# KiCad board Atari TT030.kicad_pcb
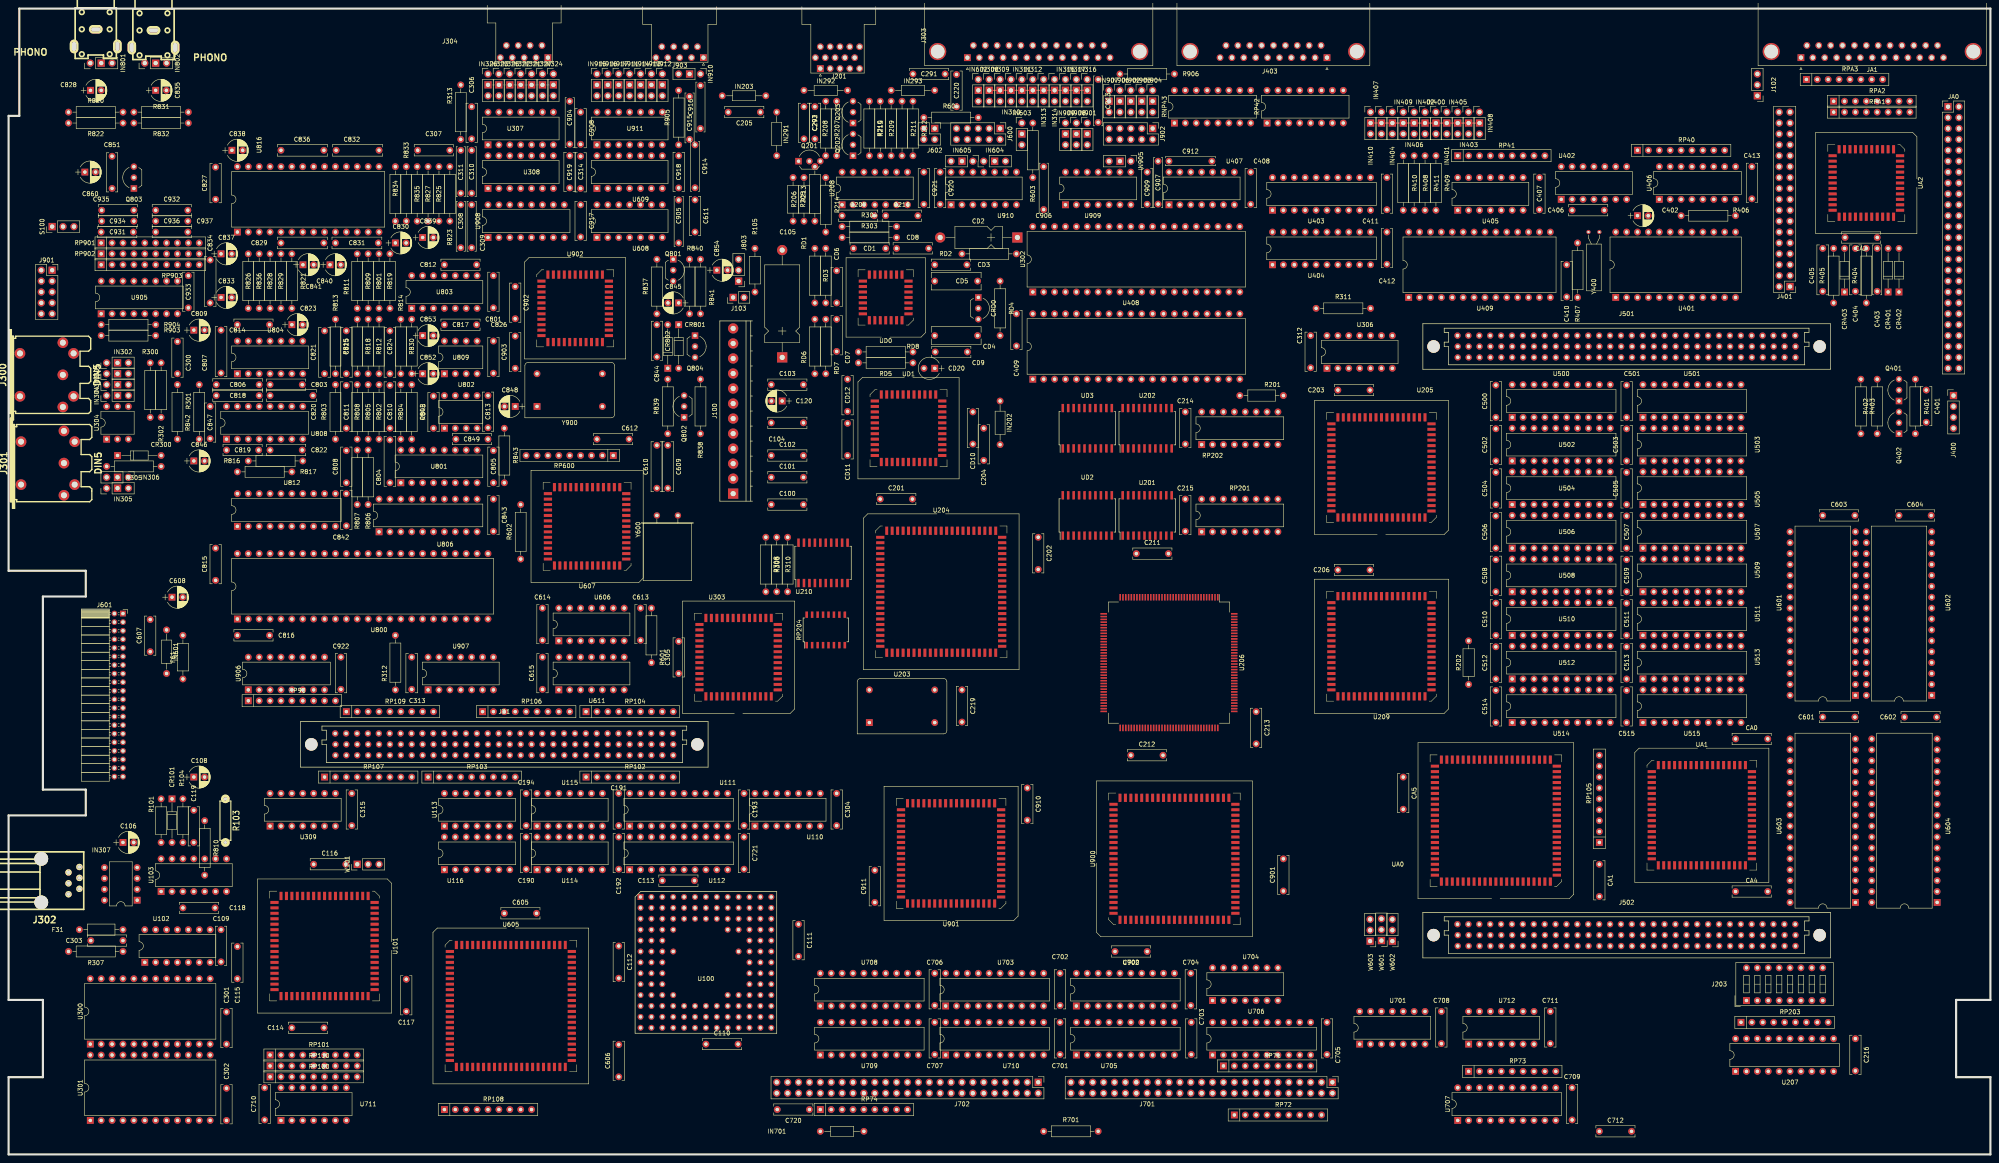
[diagram p0: board, top side]
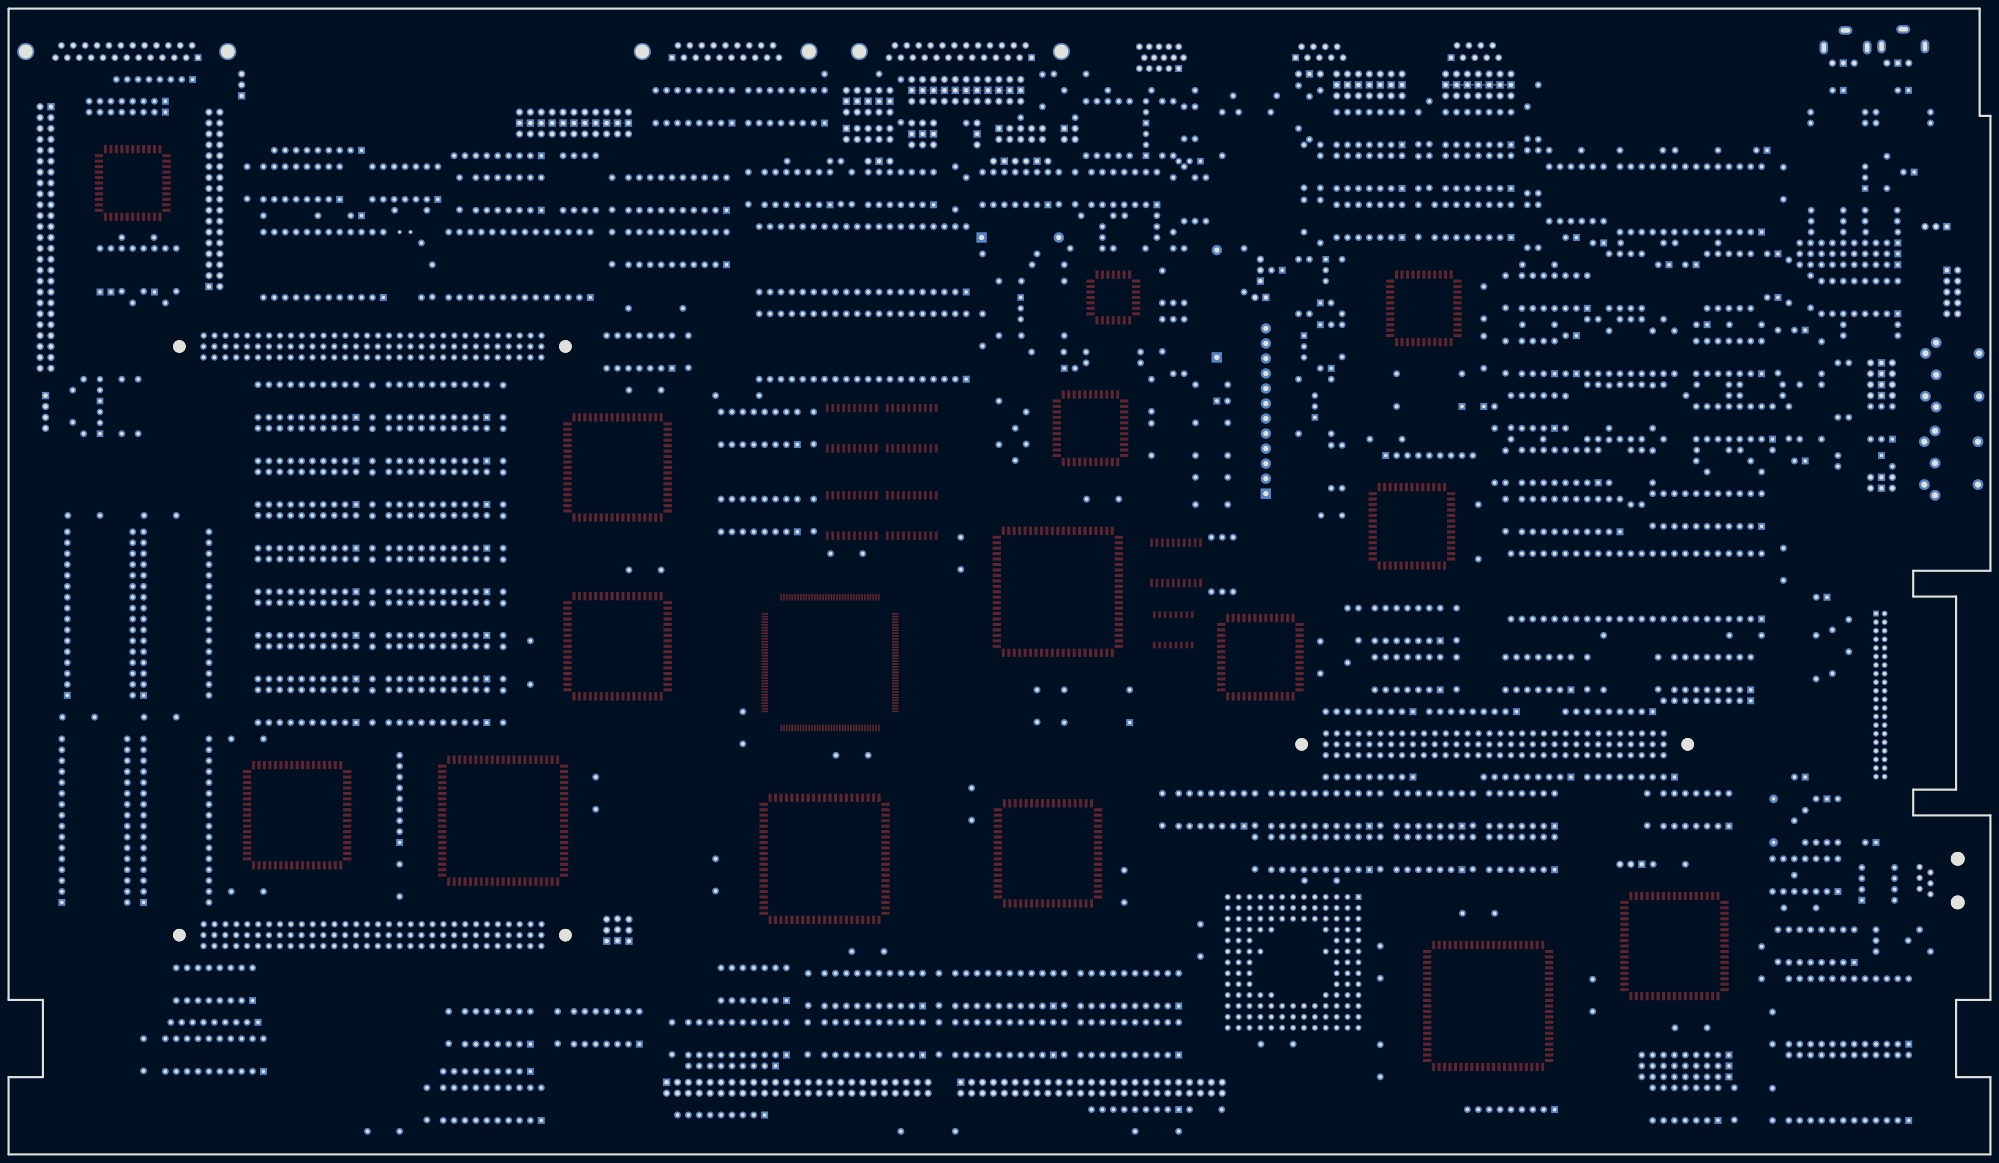
[diagram p1: board, bottom side, seen from below]

Outline 462 x 267 mm; copper layers: Top, Bottom. Coordinates in mm from the lower left corner of the outline.
Outline path: 0,242 0,136 18,136 18,130 8,130 8,85 18,85 18,79 0,79 0,36 8,36 8,18 0,18 0,0 462,0 462,18 454,18 454,36 462,36 462,267 2.5,267 2.5,242 0,242

## Placement (name value [footprint] x y rotation side)
C100  0.1uF  [C_Rect_L9.0mm_W2.5mm_P7.50mm_MKT]  177.8 151.43 0 top
C101  0.1uF  [C_Rect_L9.0mm_W2.5mm_P7.50mm_MKT]  177.8 157.78 0 top
C102  0.1uF  [C_Rect_L9.0mm_W2.5mm_P7.50mm_MKT]  177.8 162.86 0 top
C103  0.1uF  [C_Rect_L9.0mm_W2.5mm_P7.50mm_MKT]  177.8 179.37 0 top
C104  0.1uF  [C_Rect_L9.0mm_W2.5mm_P7.50mm_MKT]  177.8 170.48 0 top
C105  470uF  [CP_Axial_L18.0mm_D8.0mm_P25.00mm_Horizontal]  180.34 185.72 90 top
C106  10UF  [CP_Radial_D5.0mm_P2.50mm]  26.67 72.69 0 top
C108  10uF  [CP_Radial_D5.0mm_P2.50mm]  43.18 87.93 0 top
C109  0.1uF  [C_Rect_L9.0mm_W2.5mm_P7.50mm_MKT]  49.53 52.37 270 top
C110  0.1uF  [C_Rect_L9.0mm_W2.5mm_P7.50mm_MKT]  162.56 25.7 0 top
C111  0.1uF  [C_Rect_L9.0mm_W2.5mm_P7.50mm_MKT]  184.15 53.64 270 top
C112  0.1uF  [C_Rect_L9.0mm_W2.5mm_P7.50mm_MKT]  142.24 48.56 270 top
C113  0.1uF  [C_Rect_L9.0mm_W2.5mm_P7.50mm_MKT]  152.4 63.8 0 top
C114  0.1uF  [C_Rect_L9.0mm_W2.5mm_P7.50mm_MKT]  66.04 29.51 0 top
C115  0.1uF  [C_Rect_L9.0mm_W2.5mm_P7.50mm_MKT]  53.34 40.94 90 top
C116  0.1uF  [C_Rect_L9.0mm_W2.5mm_P7.50mm_MKT]  71.12 67.61 0 top
C117  0.1uF  [C_Rect_L9.0mm_W2.5mm_P7.50mm_MKT]  92.71 33.32 90 top
C118  0.01uF  [C_Rect_L9.0mm_W2.5mm_P7.50mm_MKT]  40.64 57.45 0 top
C119  0.01uF  [C_Rect_L9.0mm_W2.5mm_P7.50mm_MKT]  43.18 72.69 90 top
C120  10uF  [CP_Radial_D5.0mm_P2.50mm]  180.34 175.56 180 top
C190  0.1uF  [C_Rect_L9.0mm_W2.5mm_P7.50mm_MKT]  120.65 73.96 270 top
C191  0.1uF  [C_Rect_L9.0mm_W2.5mm_P7.50mm_MKT]  142.24 84.12 270 top
C192  0.1uF  [C_Rect_L9.0mm_W2.5mm_P7.50mm_MKT]  142.24 73.96 270 top
C193  0.1uF  [C_Rect_L9.0mm_W2.5mm_P7.50mm_MKT]  171.45 84.12 270 top
C194  0.1uF  [C_Rect_L9.0mm_W2.5mm_P7.50mm_MKT]  120.65 84.12 270 top
C201  0.1uF  [C_Rect_L9.0mm_W2.5mm_P7.50mm_MKT]  203.2 152.7 0 top
C202  0.1uF  [C_Rect_L9.0mm_W2.5mm_P7.50mm_MKT]  240.03 143.81 270 top
C203  0.1uF  [C_Rect_L9.0mm_W2.5mm_P7.50mm_MKT]  309.88 178.1 0 top
C204  0.1uF  [C_Rect_L9.0mm_W2.5mm_P7.50mm_MKT]  227.33 169.21 270 top
C205  0.1uF  [C_Rect_L9.0mm_W2.5mm_P7.50mm_MKT]  175.26 242.87 180 top
C206  0.1uF  [C_Rect_L9.0mm_W2.5mm_P7.50mm_MKT]  309.88 136.19 0 top
C209  0.1uF  [C_Rect_L9.0mm_W2.5mm_P7.50mm_MKT]  194.31 218.74 0 top
C210  0.1uF  [C_Rect_L9.0mm_W2.5mm_P7.50mm_MKT]  204.47 218.74 0 top
C211  0.1uF  [C_Rect_L9.0mm_W2.5mm_P7.50mm_MKT]  262.89 140 0 top
C212  0.1uF  [C_Rect_L9.0mm_W2.5mm_P7.50mm_MKT]  261.62 93.01 0 top
C213  0.1uF  [C_Rect_L9.0mm_W2.5mm_P7.50mm_MKT]  290.83 103.17 270 top
C214  0.1uF  [C_Rect_L9.0mm_W2.5mm_P7.50mm_MKT]  274.32 173.02 270 top
C215  0.1uF  [C_Rect_L9.0mm_W2.5mm_P7.50mm_MKT]  274.32 152.7 270 top
C216  0.1uF  [C_Rect_L9.0mm_W2.5mm_P7.50mm_MKT]  430.53 26.97 270 top
C219  0.1uF  [C_Rect_L9.0mm_W2.5mm_P7.50mm_MKT]  222.25 108.25 270 top
C220  0.1uF  [C_Rect_L9.0mm_W2.5mm_P7.50mm_MKT]  220.98 244.14 90 top
C291  0.1uF  [C_Rect_L9.0mm_W2.5mm_P7.50mm_MKT]  210.82 251.76 0 top
C292  0.1uF  [C_Rect_L9.0mm_W2.5mm_P7.50mm_MKT]  185.42 244.14 270 top
C293  0.1uF  [C_Rect_L9.0mm_W2.5mm_P7.50mm_MKT]  187.96 244.14 270 top
C300  0.1uF  [C_Rect_L9.0mm_W2.5mm_P7.50mm_MKT]  39.37 181.91 90 top
C301  0.1uF  [C_Rect_L9.0mm_W2.5mm_P7.50mm_MKT]  50.8 25.7 90 top
C302  0.1uF  [C_Rect_L9.0mm_W2.5mm_P7.50mm_MKT]  50.8 7.92 90 top
C303  0.1uF  [C_Rect_L9.0mm_W2.5mm_P7.50mm_MKT]  26.67 49.83 180 top
C304  0.1uF  [C_Rect_L9.0mm_W2.5mm_P7.50mm_MKT]  193.04 84.12 270 top
C305  0.1uF  [C_Rect_L9.0mm_W2.5mm_P7.50mm_MKT]  156.21 112.06 90 top
C306  0.1uF  [C_Rect_L9.0mm_W2.5mm_P7.50mm_MKT]  107.95 244.14 270 top
C307  0.1uF  [C_Rect_L9.0mm_W2.5mm_P7.50mm_MKT]  102.87 233.98 180 top
C308  100pF  [C_Rect_L11.5mm_W2.0mm_P10.00mm_MKT]  105.41 221.28 270 top
C309  100pF  [C_Rect_L11.5mm_W2.0mm_P10.00mm_MKT]  107.95 221.28 270 top
C310  100pF  [C_Rect_L11.5mm_W2.0mm_P10.00mm_MKT]  107.95 233.98 270 top
C311  100pF  [C_Rect_L11.5mm_W2.0mm_P10.00mm_MKT]  105.41 233.98 270 top
C312  0.1uF  [C_Rect_L9.0mm_W2.5mm_P7.50mm_MKT]  303.53 190.8 270 top
C313  0.1uF  [C_Rect_L9.0mm_W2.6mm_P7.50mm_MKT]  93.98 115.87 270 top
C314  0.1uF  [C_Rect_L9.0mm_W2.6mm_P7.50mm_MKT]  130.81 232.71 270 top
C315  0.1uF  [C_Rect_L9.0mm_W2.5mm_P7.50mm_MKT]  80.01 84.12 270 top
C401  0.1uF  [C_Rect_L9.0mm_W2.5mm_P7.50mm_MKT]  447.04 178.1 270 top
C402  10uF  [CP_Radial_D5.0mm_P2.50mm]  379.73 218.74 0 top
C403  0.01uF  [C_Rect_L11.5mm_W2.0mm_P10.00mm_MKT]  435.61 211.12 270 top
C404  4.7nF  [C_Rect_L11.5mm_W2.6mm_P10.00mm_MKT]  430.53 211.12 270 top
C405  4.7nF  [C_Rect_L11.5mm_W2.6mm_P10.00mm_MKT]  422.91 211.12 270 top
C406  27pF  [C_Rect_L9.0mm_W2.5mm_P7.50mm_MKT]  364.49 220.01 0 top
C407  0.1uF  [C_Rect_L9.0mm_W2.5mm_P7.50mm_MKT]  356.87 227.63 270 top
C408  0.1uF  [C_Rect_L9.0mm_W2.5mm_P7.50mm_MKT]  289.56 228.9 270 top
C409  0.1uF  [C_Rect_L9.0mm_W2.5mm_P7.50mm_MKT]  234.95 195.88 270 top
C410  0.1uF  [C_Rect_L9.0mm_W2.5mm_P7.50mm_MKT]  363.22 207.31 270 top
C411  0.1uF  [C_Rect_L9.0mm_W2.5mm_P7.50mm_MKT]  321.31 227.63 270 top
C412  0.1uF  [C_Rect_L9.0mm_W2.5mm_P7.50mm_MKT]  321.31 214.93 270 top
C413  0.1uF  [C_Rect_L9.0mm_W2.5mm_P7.50mm_MKT]  406.4 230.17 270 top
C500  0.22uF  [C_Rect_L9.0mm_W2.5mm_P7.50mm_MKT]  346.71 171.75 90 top
C501  0.22uF  [C_Rect_L9.0mm_W2.5mm_P7.50mm_MKT]  377.19 171.75 90 top
C502  0.22uF  [C_Rect_L9.0mm_W2.5mm_P7.50mm_MKT]  346.71 161.59 90 top
C503  0.22uF  [C_Rect_L9.0mm_W2.5mm_P7.50mm_MKT]  377.19 161.59 90 top
C504  0.22uF  [C_Rect_L9.0mm_W2.5mm_P7.50mm_MKT]  346.71 151.43 90 top
C505  0.22uF  [C_Rect_L9.0mm_W2.5mm_P7.50mm_MKT]  377.19 151.43 90 top
C506  0.22uF  [C_Rect_L9.0mm_W2.5mm_P7.50mm_MKT]  346.71 141.27 90 top
C507  0.22uF  [C_Rect_L9.0mm_W2.5mm_P7.50mm_MKT]  377.19 141.27 90 top
C508  0.22uF  [C_Rect_L9.0mm_W2.5mm_P7.50mm_MKT]  346.71 131.11 90 top
C509  0.22uF  [C_Rect_L9.0mm_W2.5mm_P7.50mm_MKT]  377.19 131.11 90 top
C510  0.22uF  [C_Rect_L9.0mm_W2.5mm_P7.50mm_MKT]  346.71 120.95 90 top
C511  0.22uF  [C_Rect_L9.0mm_W2.5mm_P7.50mm_MKT]  377.19 120.95 90 top
C512  0.22uF  [C_Rect_L9.0mm_W2.5mm_P7.50mm_MKT]  346.71 110.79 90 top
C513  0.22uF  [C_Rect_L9.0mm_W2.5mm_P7.50mm_MKT]  377.19 110.79 90 top
C514  0.22uF  [C_Rect_L9.0mm_W2.5mm_P7.50mm_MKT]  346.71 100.63 90 top
C515  0.22uF  [C_Rect_L9.0mm_W2.5mm_P7.50mm_MKT]  377.19 100.63 90 top
C601  0.1uF  [C_Rect_L9.0mm_W2.5mm_P7.50mm_MKT]  422.91 101.9 0 top
C602  0.1uF  [C_Rect_L9.0mm_W2.5mm_P7.50mm_MKT]  441.96 101.9 0 top
C603  0.1uF  [C_Rect_L9.0mm_W2.5mm_P7.50mm_MKT]  422.91 148.89 0 top
C604  0.1uF  [C_Rect_L9.0mm_W2.5mm_P7.50mm_MKT]  440.69 148.89 0 top
C605  0.1uF  [C_Rect_L9.0mm_W2.5mm_P7.50mm_MKT]  115.57 56.18 0 top
C606  0.1uF  [C_Rect_L9.0mm_W2.5mm_P7.50mm_MKT]  142.24 18.08 90 top
C607  0.1uF  [C_Rect_L9.0mm_W2.5mm_P7.50mm_MKT]  33.02 117.14 90 top
C608  100uF  [CP_Radial_D5.0mm_P2.50mm]  38.1 129.84 0 top
C609  30pF  [C_Rect_L11.5mm_W2.6mm_P10.00mm_MKT]  153.67 155.24 90 top
C610  30pF  [C_Rect_L11.5mm_W2.6mm_P10.00mm_MKT]  151.13 155.24 90 top
C611  100pF  [C_Rect_L9.0mm_W2.5mm_P7.50mm_MKT]  160.02 214.93 90 top
C612  0.1uF  [C_Rect_L9.0mm_W2.5mm_P7.50mm_MKT]  137.16 166.67 0 top
C613  0.1uF  [C_Rect_L9.0mm_W2.5mm_P7.50mm_MKT]  147.32 127.3 270 top
C614  0.1uF  [C_Rect_L9.0mm_W2.5mm_P7.50mm_MKT]  124.46 127.3 270 top
C615  0.1uF  [C_Rect_L9.0mm_W2.5mm_P7.50mm_MKT]  124.46 115.87 270 top
C701  0.1uF  [C_Rect_L9.0mm_W2.5mm_P7.50mm_MKT]  245.11 30.78 270 top
C702  0.1uF  [C_Rect_L9.0mm_W2.5mm_P7.50mm_MKT]  245.11 42.21 270 top
C703  0.1uF  [C_Rect_L9.0mm_W2.5mm_P7.50mm_MKT]  275.71 30.78 270 top
C704  0.1uF  [C_Rect_L9.0mm_W2.5mm_P7.50mm_MKT]  275.59 42.21 270 top
C705  0.1uF  [C_Rect_L9.0mm_W2.5mm_P7.50mm_MKT]  307.34 30.78 270 top
C706  0.1uF  [C_Rect_L9.0mm_W2.5mm_P7.50mm_MKT]  215.9 42.21 270 top
C707  0.1uF  [C_Rect_L9.0mm_W2.5mm_P7.50mm_MKT]  215.9 30.78 270 top
C708  0.1uF  [C_Rect_L9.0mm_W2.5mm_P7.50mm_MKT]  334.01 33.32 270 top
C709  0.1uF  [C_Rect_L9.0mm_W2.5mm_P7.50mm_MKT]  364.49 15.54 270 top
C710  0.1uF  [C_Rect_L9.0mm_W2.5mm_P7.50mm_MKT]  59.69 15.54 270 top
C711  0.1uF  [C_Rect_L9.0mm_W2.5mm_P7.50mm_MKT]  359.41 33.32 270 top
C712  0.1uF  [C_Rect_L9.0mm_W2.5mm_P7.50mm_MKT]  370.84 5.38 0 top
C720  0.1uF  [C_Rect_L9.0mm_W2.5mm_P7.50mm_MKT]  186.69 10.46 180 top
C721  0.1uF  [C_Rect_L9.0mm_W2.5mm_P7.50mm_MKT]  171.45 73.96 270 top
C801  0.1uF  [C_Rect_L9.0mm_W2.5mm_P7.50mm_MKT]  113.03 204.77 270 top
C802  0.1uF  [C_Rect_L9.0mm_W2.5mm_P7.50mm_MKT]  99.06 169.21 90 top
C803  0.1uF  [C_Rect_L9.0mm_W2.5mm_P7.50mm_MKT]  60.96 179.37 0 top
C804  10nF  [C_Rect_L11.5mm_W2.6mm_P10.00mm_MKT]  88.9 156.51 90 top
C805  0.1uF  [C_Rect_L9.0mm_W2.5mm_P7.50mm_MKT]  113.03 156.51 90 top
C806  1nF  [C_Rect_L11.5mm_W2.6mm_P10.00mm_MKT]  58.42 179.37 180 top
C807  1nF  [C_Rect_L11.5mm_W2.6mm_P10.00mm_MKT]  49.53 192.07 270 top
C808  0.1uF  [C_Rect_L9.0mm_W2.5mm_P7.50mm_MKT]  78.74 156.51 90 top
C809  47uF  [CP_Radial_D5.0mm_P2.50mm]  43.18 192.07 0 top
C810  1nF  [C_Rect_L11.5mm_W2.6mm_P10.00mm_MKT]  88.9 169.21 90 top
C811  1nF  [C_Rect_L11.5mm_W2.6mm_P10.00mm_MKT]  78.74 169.21 90 top
C812  0.1uF  [C_Rect_L9.0mm_W2.5mm_P7.50mm_MKT]  101.6 207.31 0 top
C813  0.1uF  [C_Rect_L9.0mm_W2.5mm_P7.50mm_MKT]  111.76 176.83 270 top
C814  0.1uF  [C_Rect_L9.0mm_W2.5mm_P7.50mm_MKT]  53.34 193.34 0 top
C815  0.1uF  [C_Rect_L9.0mm_W2.5mm_P7.50mm_MKT]  48.26 133.77 90 top
C816  0.1uF  [C_Rect_L9.0mm_W2.5mm_P7.50mm_MKT]  53.34 120.95 0 top
C817  0.1uF  [C_Rect_L9.0mm_W2.5mm_P7.50mm_MKT]  101.6 193.34 0 top
C818  0.1uF  [C_Rect_L11.5mm_W2.6mm_P10.00mm_MKT]  58.42 176.83 180 top
C819  0.1uF  [C_Rect_L9.0mm_W2.5mm_P7.50mm_MKT]  50.8 164.13 0 top
C820  1nF  [C_Rect_L11.5mm_W2.6mm_P10.00mm_MKT]  60.96 176.83 0 top
C821  1nF  [C_Rect_L11.5mm_W2.6mm_P10.00mm_MKT]  73.66 181.91 90 top
C822  0.1uF  [C_Rect_L9.0mm_W2.5mm_P7.50mm_MKT]  60.96 164.13 0 top
C823  47uF  [CP_Radial_D5.0mm_P2.50mm]  66.04 193.34 0 top
C824  1nF  [C_Rect_L11.5mm_W2.6mm_P10.00mm_MKT]  88.9 181.91 90 top
C825  1nF  [C_Rect_L11.5mm_W2.6mm_P10.00mm_MKT]  78.74 191.91 270 top
C826  0.1uF  [C_Rect_L9.0mm_W2.5mm_P7.50mm_MKT]  113.03 189.53 270 top
C827  0.1uF  [C_Rect_L9.0mm_W2.5mm_P7.50mm_MKT]  48.26 222.55 90 top
C828  47uF  [CP_Radial_D5.0mm_P2.50mm]  19.09 247.95 0 top
C829  8.2nF  [C_Rect_L11.5mm_W2.6mm_P10.00mm_MKT]  73.5 212.39 180 top
C830  47uF  [CP_Radial_D5.0mm_P2.50mm]  90.17 212.39 0 top
C831  8.2nF  [C_Rect_L11.5mm_W2.6mm_P10.00mm_MKT]  86.2 212.39 180 top
C832  8.2nF  [C_Rect_L11.5mm_W2.6mm_P10.00mm_MKT]  86.36 233.98 180 top
C833  47uF  [CP_Radial_D5.0mm_P2.50mm]  49.53 199.69 0 top
C834  0.1uF  [C_Rect_L11.5mm_W2.6mm_P10.00mm_MKT]  46.99 198.42 90 top
C835  47uF  [CP_Radial_D5.0mm_P2.50mm]  34.29 247.95 0 top
C836  8.2nF  [C_Rect_L11.5mm_W2.6mm_P10.00mm_MKT]  73.5 233.98 180 top
C837  47uF  [CP_Radial_D5.0mm_P2.50mm]  49.53 209.85 0 top
C838  10uF  [CP_Radial_D5.0mm_P2.50mm]  52.07 233.98 0 top
C839  47uF  [CP_Radial_D5.0mm_P2.50mm]  96.52 213.66 0 top
C840  47uF  [CP_Radial_D5.0mm_P2.50mm]  74.93 207.31 0 top
C841  47uF  [CP_Radial_D5.0mm_P2.50mm]  68.62 207.31 0 top
C842  0.1uF  [C_Rect_L9.0mm_W2.5mm_P7.50mm_MKT]  78.74 153.97 270 top
C843  0.1uF  [C_Rect_L9.0mm_W2.5mm_P7.50mm_MKT]  113.03 152.7 270 top
C844  0.1uF  [C_Rect_L9.0mm_W2.5mm_P7.50mm_MKT]  151.13 193.34 270 top
C845  3.3uF  [CP_Radial_D5.0mm_P2.50mm]  156.21 198.42 180 top
C846  100uF  [CP_Radial_D5.0mm_P2.50mm]  43.18 161.59 0 top
C847  0.1uF  [C_Rect_L9.0mm_W2.5mm_P7.50mm_MKT]  46.99 174.29 270 top
C848  100uF  [CP_Radial_D5.0mm_P2.50mm]  118.11 174.29 180 top
C849  0.1uF  [C_Rect_L9.0mm_W2.5mm_P7.50mm_MKT]  111.76 166.67 180 top
C851  0.1uF  [C_Rect_L9.0mm_W2.5mm_P7.50mm_MKT]  24.13 225.09 90 top
C852  47uF  [CP_Radial_D5.0mm_P2.50mm]  96.52 181.91 0 top
C853  47uF  [CP_Radial_D5.0mm_P2.50mm]  96.52 190.8 0 top
C854  47uF  [CP_Radial_D5.0mm_P2.50mm]  165.1 206.04 0 top
C860  100uF  [CP_Radial_D5.0mm_P2.50mm]  17.78 228.9 0 top
C900  0.1uF  [C_Rect_L9.0mm_W2.5mm_P7.50mm_MKT]  265.43 47.29 180 top
C901  0.1uF  [C_Rect_L9.0mm_W2.5mm_P7.50mm_MKT]  297.18 68.88 270 top
C902  0.1uF  [C_Rect_L9.0mm_W2.5mm_P7.50mm_MKT]  118.11 202.23 270 top
C903  0.1uF  [C_Rect_L9.0mm_W2.5mm_P7.50mm_MKT]  118.11 183.18 90 top
C904  100pF  [C_Rect_L11.5mm_W2.0mm_P10.00mm_MKT]  130.81 245.41 270 top
C905  100pF  [C_Rect_L11.5mm_W2.0mm_P10.00mm_MKT]  156.21 212.39 90 top
C906  100pF  [C_Rect_L11.5mm_W2.0mm_P10.00mm_MKT]  241.3 230.17 270 top
C907  100pF  [C_Rect_L11.5mm_W2.0mm_P10.00mm_MKT]  267.97 231.44 270 top
C908  0.1uF  [C_Rect_L9.0mm_W2.5mm_P7.50mm_MKT]  133.35 242.87 270 top
C909  0.1uF  [C_Rect_L9.0mm_W2.5mm_P7.50mm_MKT]  265.43 228.9 270 top
C910  0.1uF  [C_Rect_L9.0mm_W2.5mm_P7.50mm_MKT]  237.49 85.39 270 top
C911  0.1uF  [C_Rect_L9.0mm_W2.5mm_P7.50mm_MKT]  201.93 58.72 90 top
C912  100pF  [C_Rect_L11.5mm_W2.0mm_P10.00mm_MKT]  270.51 231.44 0 top
C913  100pF  [C_Rect_L11.5mm_W2.0mm_P10.00mm_MKT]  254 250.49 270 top
C914  100pF  [C_Rect_L11.5mm_W2.0mm_P10.00mm_MKT]  160.02 235.25 270 top
C915  100pF  [C_Rect_L11.5mm_W2.0mm_P10.00mm_MKT]  158.75 236.52 90 top
C916  100pF  [C_Rect_L11.5mm_W2.0mm_P10.00mm_MKT]  161.29 239.06 90 top
C917  0.1uF  [C_Rect_L9.0mm_W2.5mm_P7.50mm_MKT]  133.35 221.28 270 top
C918  0.1uF  [C_Rect_L9.0mm_W2.5mm_P7.50mm_MKT]  156.21 232.71 270 top
C919  0.1uF  [C_Rect_L9.0mm_W2.5mm_P7.50mm_MKT]  133.35 225.09 90 top
C920  0.1uF  [C_Rect_L9.0mm_W2.5mm_P7.50mm_MKT]  217.17 228.9 270 top
C921  0.1uF  [C_Rect_L9.0mm_W2.5mm_P7.50mm_MKT]  213.36 228.9 270 top
C922  0.1uF  [C_Rect_L9.0mm_W2.5mm_P7.50mm_MKT]  77.47 115.87 270 top
C931  200pF  [C_Rect_L9.0mm_W2.5mm_P7.50mm_MKT]  21.59 214.93 0 top
C932  200pF  [C_Rect_L9.0mm_W2.5mm_P7.50mm_MKT]  34.29 220.01 0 top
C933  200pF  [C_Rect_L9.0mm_W2.5mm_P7.50mm_MKT]  41.91 204.77 270 top
C934  200pF  [C_Rect_L9.0mm_W2.5mm_P7.50mm_MKT]  21.71 217.47 0 top
C935  200pF  [C_Rect_L9.0mm_W2.5mm_P7.50mm_MKT]  21.71 220.01 0 top
C936  200pF  [C_Rect_L9.0mm_W2.5mm_P7.50mm_MKT]  34.29 214.93 0 top
C937  200pF  [C_Rect_L9.0mm_W2.5mm_P7.50mm_MKT]  34.29 217.47 0 top
CA0  0.1uF  [C_Rect_L9.0mm_W2.5mm_P7.50mm_MKT]  402.59 96.82 0 top
CA1  0.1uF  [C_Rect_L9.0mm_W2.5mm_P7.50mm_MKT]  370.84 67.61 270 top
CA2  0.1uF  [C_Rect_L9.0mm_W2.5mm_P7.50mm_MKT]  435.61 213.66 180 top
CA4  0.1uF  [C_Rect_L9.0mm_W2.5mm_P7.50mm_MKT]  402.59 61.26 0 top
CA5  0.1uF  [C_Rect_L9.0mm_W2.5mm_P7.50mm_MKT]  325.12 87.93 270 top
CD1  0.1uF  [C_Rect_L9.0mm_W2.5mm_P7.50mm_MKT]  204.47 211.12 180 top
CD2  1uF  [CP_Axial_L11.0mm_D5.0mm_P18.00mm_Horizontal]  235.17 213.66 180 top
CD3  0.01uF  [C_Rect_L9.0mm_W2.5mm_P7.50mm_MKT]  215.9 207.31 0 top
CD4  270pF  [C_Rect_L11.5mm_W4.0mm_P10.00mm_MKT]  215.9 190.8 0 top
CD5  39pF  [C_Rect_L11.5mm_W4.0mm_P10.00mm_MKT]  215.9 203.5 0 top
CD6  0.1uF  [C_Rect_L9.0mm_W2.5mm_P7.50mm_MKT]  193.04 198.42 90 top
CD7  0.1uF  [C_Rect_L9.0mm_W2.5mm_P7.50mm_MKT]  193.04 194.61 270 top
CD8  0.1uF  [C_Rect_L9.0mm_W2.5mm_P7.50mm_MKT]  207.01 211.12 0 top
CD9  0.1uF  [C_Rect_L9.0mm_W2.5mm_P7.50mm_MKT]  223.52 186.99 180 top
CD10  0.1uF  [C_Rect_L9.0mm_W2.5mm_P7.50mm_MKT]  224.79 173.02 270 top
CD11  0.1uF  [C_Rect_L9.0mm_W2.5mm_P7.50mm_MKT]  195.58 162.86 90 top
CD12  0.1uF  [C_Rect_L9.0mm_W2.5mm_P7.50mm_MKT]  195.58 180.64 270 top
CD20  10uF  [CP_Radial_Tantal_D5.0mm_P2.50mm]  215.9 183.18 180 top
CR101  1N914  [D_DO-35_SOD27_P10.16mm_Horizontal]  38.1 82.85 270 top
CR300  1N914  [D_DO-35_SOD27_P10.16mm_Horizontal]  25.4 162.86 0 top
CR401  1N4148  [D_DO-35_SOD27_P10.16mm_Horizontal]  438.15 200.96 90 top
CR402  1N4148  [D_DO-35_SOD27_P10.16mm_Horizontal]  440.69 200.96 90 top
CR403  1N914  [D_DO-35_SOD27_P10.16mm_Horizontal]  427.99 200.96 90 top
CR801  1N914  [D_DO-35_SOD27_P10.16mm_Horizontal]  156.21 193.34 270 top
CR802  1N914  [D_DO-35_SOD27_P10.16mm_Horizontal]  153.67 183.18 90 top
CRD0  MV209  [TO-92_Inline_Wide]  226.06 199.69 270 top
F31  0.5A  [R_Axial_DIN0207_L6.3mm_D2.5mm_P10.16mm_Horizontal]  16.51 52.37 0 top
F61  0.5A  [R_Axial_DIN0207_L6.3mm_D2.5mm_P10.16mm_Horizontal]  40.64 110.79 90 top
G***  LOGO  [TTASSREVC]  224.79 133.65 0 top
IN202  FB  [L_Axial_L5.3mm_D2.2mm_P10.16mm_Horizontal_Vishay_IM-1]  231.14 175.56 270 top
IN203  FB  [L_Axial_L5.3mm_D2.2mm_P10.16mm_Horizontal_Vishay_IM-1]  166.37 246.68 0 top
IN291  FB  [L_Axial_L5.3mm_D2.2mm_P10.16mm_Horizontal_Vishay_IM-1]  179.07 242.87 270 top
IN292  FB  [L_Axial_L5.3mm_D2.2mm_P10.16mm_Horizontal_Vishay_IM-1]  185.42 247.95 0 top
IN293  FB  [L_Axial_L5.3mm_D2.2mm_P10.16mm_Horizontal_Vishay_IM-1]  205.74 247.95 0 top
IN301  ~  [EMI_FILTER]  22.86 181.91 90 top
IN302  ~  [EMI_FILTER]  22.86 184.45 90 top
IN303  ~  [EMI_FILTER]  22.86 179.37 90 top
IN304  ~  [EMI_FILTER]  22.86 176.83 90 top
IN305  ~  [EMI_FILTER]  22.86 155.24 90 top
IN306  ~  [EMI_FILTER]  27.94 157.78 270 top
IN307  LINE FILTER  [DIP-8_W7.62mm]  29.97 59.23 180 top
IN308  ~  [EMI_FILTER]  228.6 250.49 0 top
IN309  ~  [EMI_FILTER]  231.14 250.49 0 top
IN310  ~  [EMI_FILTER]  233.68 250.49 0 top
IN311  ~  [EMI_FILTER]  236.22 250.49 0 top
IN312  ~  [EMI_FILTER]  238.76 250.49 0 top
IN313  ~  [EMI_FILTER]  241.3 250.49 0 top
IN314  ~  [EMI_FILTER]  243.84 250.49 0 top
IN315  ~  [EMI_FILTER]  246.38 250.49 0 top
IN316  ~  [EMI_FILTER]  251.46 250.49 0 top
IN317  ~  [EMI_FILTER]  248.92 250.49 0 top
IN321  ~  [EMI_FILTER]  121.92 251.76 0 top
IN322  ~  [EMI_FILTER]  119.38 251.76 0 top
IN323  ~  [EMI_FILTER]  114.3 251.76 0 top
IN324  ~  [EMI_FILTER]  127 251.76 0 top
IN325  ~  [EMI_FILTER]  116.84 251.76 0 top
IN326  ~  [EMI_FILTER]  111.76 251.76 0 top
IN327  ~  [EMI_FILTER]  124.46 251.76 0 top
IN400  ~  [EMI_FILTER]  332.74 242.87 0 top
IN401  ~  [EMI_FILTER]  335.28 242.87 0 top
IN402  ~  [EMI_FILTER]  330.2 242.87 0 top
IN403  ~  [EMI_FILTER]  340.36 242.87 0 top
IN404  ~  [EMI_FILTER]  322.58 242.87 0 top
IN405  ~  [EMI_FILTER]  337.82 242.87 0 top
IN406  ~  [EMI_FILTER]  327.66 242.87 0 top
IN407  ~  [EMI_FILTER]  320.04 242.87 0 top
IN408  ~  [EMI_FILTER]  342.9 242.87 0 top
IN409  ~  [EMI_FILTER]  325.12 242.87 0 top
IN410  ~  [EMI_FILTER]  317.5 242.87 0 top
IN601  FB  [L_Axial_L5.3mm_D2.2mm_P10.16mm_Horizontal_Vishay_IM-1]  36.83 122.22 270 top
IN602  L  [EMI_FILTER]  226.06 250.49 0 top
IN603  L  [EMI_FILTER]  236.22 240.33 0 top
IN604  L  [EMI_FILTER]  227.33 231.44 90 top
IN605  L  [EMI_FILTER]  224.79 231.44 270 top
IN701  FB  [L_Axial_L5.3mm_D2.2mm_P10.16mm_Horizontal_Vishay_IM-1]  189.23 5.38 0 top
IN801  T  [EMI_FILTER]  19.05 254.3 90 top
IN802  T  [EMI_FILTER]  31.75 254.3 90 top
IN901  L  [EMI_FILTER]  251.46 240.33 0 top
IN902  L  [EMI_FILTER]  261.62 247.95 0 top
IN903  L  [EMI_FILTER]  264.16 247.95 0 top
IN904  L  [EMI_FILTER]  266.7 247.95 0 top
IN905  L  [EMI_FILTER]  261.62 231.44 270 top
IN906  L  [EMI_FILTER]  259.08 247.95 0 top
IN907  L  [EMI_FILTER]  256.54 247.95 0 top
IN908  L  [EMI_FILTER]  248.92 240.33 0 top
IN909  L  [EMI_FILTER]  246.38 240.33 0 top
IN910  L  [EMI_FILTER]  161.29 251.76 270 top
IN911  L  [EMI_FILTER]  144.78 251.76 0 top
IN912  L  [EMI_FILTER]  152.4 251.76 0 top
IN913  L  [EMI_FILTER]  149.86 251.76 0 top
IN914  L  [EMI_FILTER]  147.32 251.76 0 top
IN915  L  [EMI_FILTER]  137.16 251.76 0 top
IN916  L  [EMI_FILTER]  139.7 251.76 0 top
IN917  L  [EMI_FILTER]  142.24 251.76 0 top
J100  POWER  [TerminalBlock_Phoenix_PT-3.5mm_12pol]  168.91 153.97 90 top
J102  Conn_01x03  [Socket_Strip_Straight_1x03_Pitch2.54mm]  407.67 246.68 180 top
J103  Conn_01x02  [Socket_Strip_Straight_1x02_Pitch2.54mm]  168.91 199.69 90 top
J201  DM-15S  [DSUB-15-HD_Female_Horizontal_Pitch2.29x2.54mm_EdgePinOffset9.40mm]  189.23 253.03 180 top
J203  SW8  [SW_DIP_x8_W7.62mm_Slide]  405.13 35.86 90 top
J300  DIN5  [din-5]  9.65 181.66 270 top
J301  DIN5  [din-5]  9.91 161.08 270 top
J302  RJ11C  [molex_6p6c]  7.62 63.8 270 top
J303  DB-25S  [DSUB-25_Female_Horizontal_Pitch2.77x2.84mm_EdgePinOffset9.90mm_Housed_MountingHolesOffset11.32mm]  223.52 255.57 180 top
J304  DB9P  [DSUB-9_Male_Horizontal_Pitch2.77x2.84mm_EdgePinOffset9.40mm]  125.73 255.57 180 top
J400  4SIP  [Socket_Strip_Straight_1x04_Pitch2.54mm]  453.39 176.83 0 top
J401  34DRS  [Pin_Header_Straight_2x17_Pitch2.54mm]  415.29 202.23 180 top
J403  DB-19S  [DSUB-19_Male_Horizontal_Pitch2.77x2.84mm_EdgePinOffset9.90mm_Housed_MountingHolesOffset11.32mm]  307.34 255.57 180 top
J501  -  [EURO]  377.19 188.26 0 top
J502  -  [EURO]  377.19 51.1 0 top
J600  10DRS  [Pin_Header_Straight_2x05_Pitch2.54mm]  231.14 239.06 270 top
J601  40PCART  [Socket_Strip_Angled_2x20_Pitch2.00mm]  26.67 126.03 0 top
J602  2DRS  [Pin_Header_Straight_2x02_Pitch2.54mm]  215.9 239.06 270 top
J701  25DRS  [Pin_Header_Straight_2x25_Pitch2.54mm]  308.61 16.81 270 top
J702  25DRS  [Pin_Header_Straight_2x25_Pitch2.54mm]  240.03 16.81 270 top